# KiCad board Joystick 2-axis with pushbutton breakout_panel.kicad_pcb (continued)
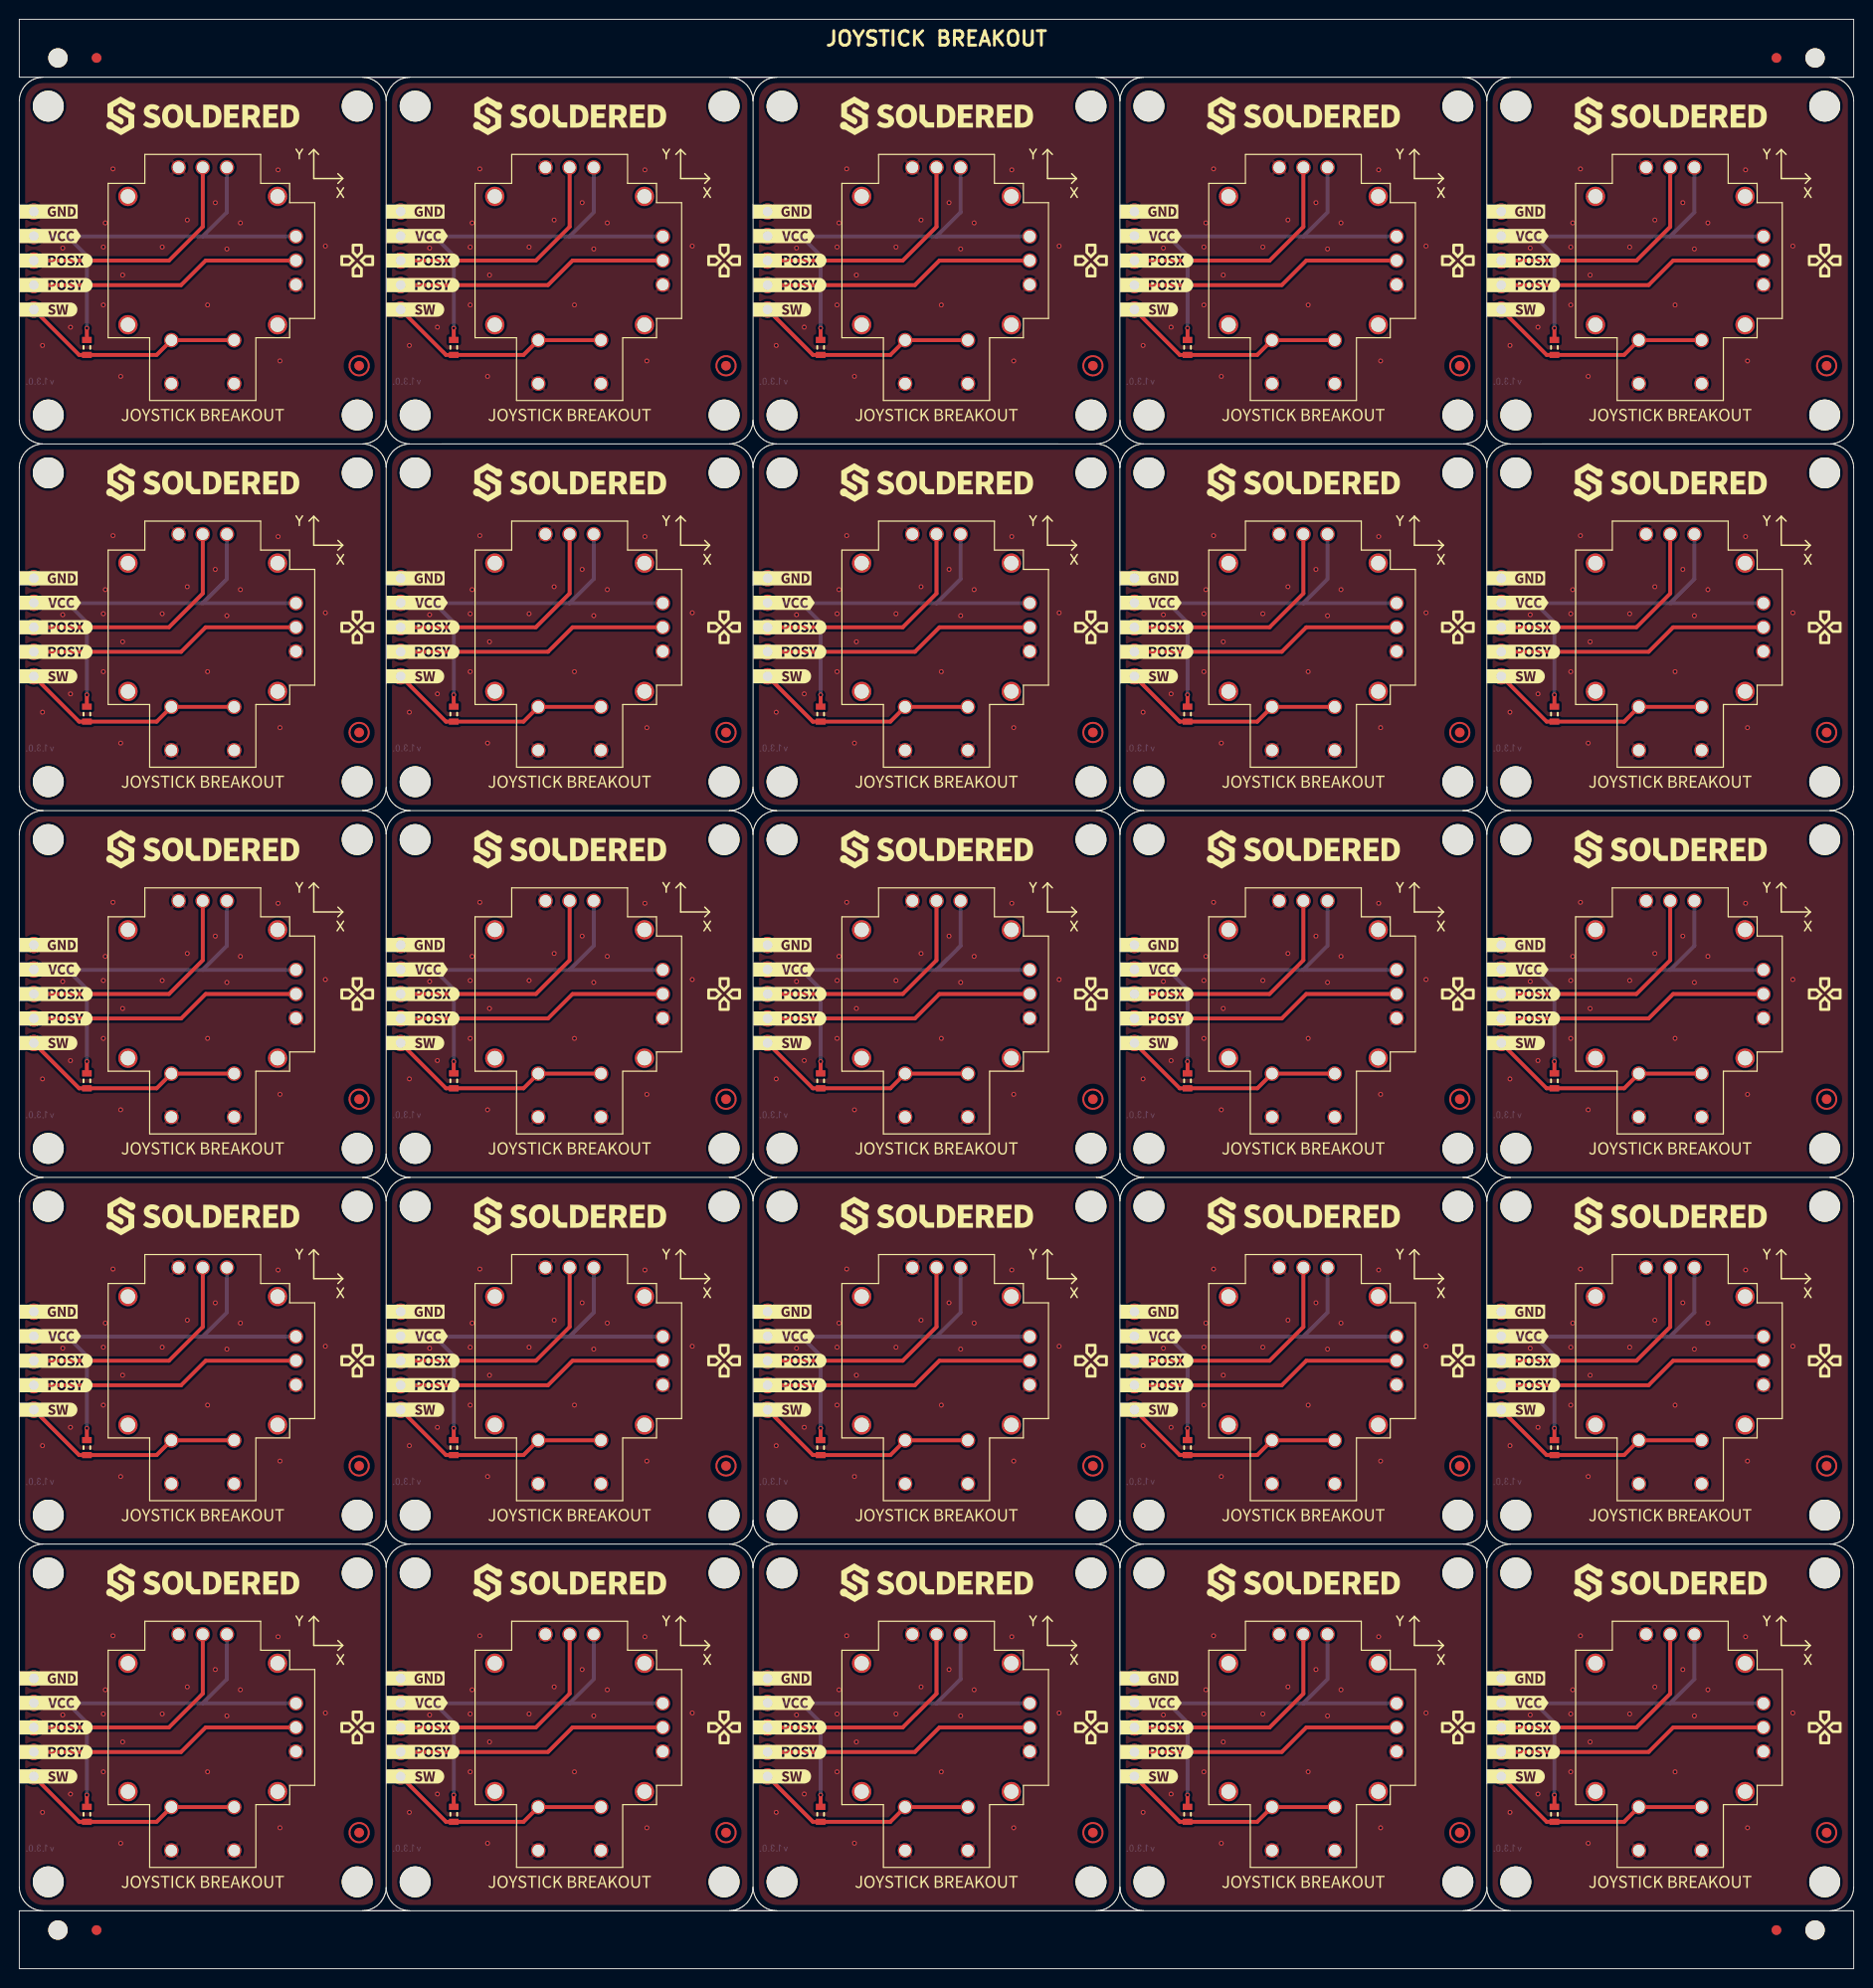
[diagram p0: board, top side]
## Placement (name value [footprint] x y rotation side) (continued)
kibuzzard-66828977#20  G***  [kibuzzard-66828977]  117.8 63 0 top
kibuzzard-66828977#21  G***  [kibuzzard-66828977]  117.8 139 0 top
kibuzzard-66828977#22  G***  [kibuzzard-66828977]  79.8 139 0 top
kibuzzard-66828977#23  G***  [kibuzzard-66828977]  3.8 63 0 top
kibuzzard-66828977#24  G***  [kibuzzard-66828977]  79.8 101 0 top
kibuzzard-66828977#25  G***  [kibuzzard-66828977]  41.8 139 0 top
kibuzzard-66828995  G***  [kibuzzard-66828995]  79.8 98.46 0 top
kibuzzard-66828995#2  G***  [kibuzzard-66828995]  155.8 60.46 0 top
kibuzzard-66828995#3  G***  [kibuzzard-66828995]  79.8 60.46 0 top
kibuzzard-66828995#4  G***  [kibuzzard-66828995]  155.8 22.46 0 top
kibuzzard-66828995#5  G***  [kibuzzard-66828995]  41.8 98.46 0 top
kibuzzard-66828995#6  G***  [kibuzzard-66828995]  155.8 136.46 0 top
kibuzzard-66828995#7  G***  [kibuzzard-66828995]  3.8 60.46 0 top
kibuzzard-66828995#8  G***  [kibuzzard-66828995]  79.8 22.46 0 top
kibuzzard-66828995#9  G***  [kibuzzard-66828995]  79.8 136.46 0 top
kibuzzard-66828995#10  G***  [kibuzzard-66828995]  155.8 174.46 0 top
kibuzzard-66828995#11  G***  [kibuzzard-66828995]  79.8 174.46 0 top
kibuzzard-66828995#12  G***  [kibuzzard-66828995]  117.8 136.46 0 top
kibuzzard-66828995#13  G***  [kibuzzard-66828995]  155.8 98.46 0 top
kibuzzard-66828995#14  G***  [kibuzzard-66828995]  41.8 174.46 0 top
kibuzzard-66828995#15  G***  [kibuzzard-66828995]  3.8 22.46 0 top
kibuzzard-66828995#16  G***  [kibuzzard-66828995]  117.8 60.46 0 top
kibuzzard-66828995#17  G***  [kibuzzard-66828995]  117.8 174.46 0 top
kibuzzard-66828995#18  G***  [kibuzzard-66828995]  41.8 60.46 0 top
kibuzzard-66828995#19  G***  [kibuzzard-66828995]  3.8 98.46 0 top
kibuzzard-66828995#20  G***  [kibuzzard-66828995]  41.8 22.46 0 top
kibuzzard-66828995#21  G***  [kibuzzard-66828995]  3.8 174.46 0 top
kibuzzard-66828995#22  G***  [kibuzzard-66828995]  117.8 98.46 0 top
kibuzzard-66828995#23  G***  [kibuzzard-66828995]  3.8 136.46 0 top
kibuzzard-66828995#24  G***  [kibuzzard-66828995]  117.8 22.46 0 top
kibuzzard-66828995#25  G***  [kibuzzard-66828995]  41.8 136.46 0 top
R1  10k  [0603R]  121 16 90 top
R1#2  10k  [0603R]  83 92 90 top
R1#3  10k  [0603R]  7 92 90 top
R1#4  10k  [0603R]  7 168 90 top
R1#5  10k  [0603R]  159 168 90 top
R1#6  10k  [0603R]  45 168 90 top
R1#7  10k  [0603R]  159 92 90 top
R1#8  10k  [0603R]  83 168 90 top
R1#9  10k  [0603R]  45 92 90 top
R1#10  10k  [0603R]  7 54 90 top
R1#11  10k  [0603R]  7 130 90 top
R1#12  10k  [0603R]  121 92 90 top
R1#13  10k  [0603R]  121 130 90 top
R1#14  10k  [0603R]  159 130 90 top
R1#15  10k  [0603R]  159 54 90 top
R1#16  10k  [0603R]  83 54 90 top
R1#17  10k  [0603R]  7 16 90 top
R1#18  10k  [0603R]  121 168 90 top
R1#19  10k  [0603R]  121 54 90 top
R1#20  10k  [0603R]  83 16 90 top
R1#21  10k  [0603R]  45 54 90 top
R1#22  10k  [0603R]  83 130 90 top
R1#23  10k  [0603R]  45 130 90 top
R1#24  10k  [0603R]  45 16 90 top
R1#25  10k  [0603R]  159 16 90 top
REF**  Logo-Front-SolderedFULL-20mm  [Logo-Back-SolderedFULL-20mm]  133 154 0 top
REF**#2  -  [Logo-Front-SolderedFULL-20mm]  57 40 0 top
REF**#3  Logo-Front-SolderedFULL-20mm  [Logo-Back-SolderedFULL-20mm]  95 40 0 top
REF**#4  -  [Logo-Back-CE-3.5mm]  50.9 46.4 0 top
REF**#5  Logo-Front-SolderedFULL-20mm  [Logo-Back-SolderedFULL-20mm]  19 116 0 top
REF**#6  -  [Logo-Back-CE-3.5mm]  12.9 46.4 0 top
REF**#7  -  [Logo-Front-SolderedFULL-20mm]  19 78 0 top
REF**#8  -  [Fiducial]  182 198 0 top
REF**#9  -  [Logo-Back-CE-3.5mm]  88.9 122.4 0 top
REF**#10  -  [NPTH]  4 198 0 top
REF**#11  -  [Logo-Back-UKCA-3.5mm]  84.4 46.5 0 top
REF**#12  -  [Logo-Back-CE-3.5mm]  126.9 160.4 0 top
REF**#13  -  [Logo-Back-CE-3.5mm]  12.9 8.4 0 top
REF**#14  -  [Logo-Back-UKCA-3.5mm]  84.4 8.5 0 top
REF**#15  Logo-Front-SolderedFULL-20mm  [Logo-Back-SolderedFULL-20mm]  171 78 0 top
REF**#16  -  [Logo-Back-UKCA-3.5mm]  8.4 122.5 0 top
REF**#17  -  [Logo-Back-CE-3.5mm]  50.9 8.4 0 top
REF**#18  Logo-Front-SolderedFULL-20mm  [Logo-Back-SolderedFULL-20mm]  19 154 0 top
REF**#19  -  [Logo-Front-SolderedFULL-20mm]  19 154 0 top
REF**#20  -  [Logo-Front-SolderedFULL-20mm]  95 78 0 top
REF**#21  -  [Logo-Front-SolderedFULL-20mm]  171 116 0 top
REF**#22  -  [Logo-Back-CE-3.5mm]  12.9 84.4 0 top
REF**#23  -  [Logo-Back-UKCA-3.5mm]  46.4 46.5 0 top
REF**#24  -  [Logo-Back-CE-3.5mm]  50.9 160.4 0 top
REF**#25  -  [Logo-Back-UKCA-3.5mm]  8.4 84.5 0 top
REF**#26  -  [NPTH]  4 4 0 top
REF**#27  -  [Logo-Back-CE-3.5mm]  126.9 84.4 0 top
REF**#28  -  [Logo-Back-CE-3.5mm]  164.9 8.4 0 top
REF**#29  -  [NPTH]  186 4 0 top
REF**#30  Logo-Front-SolderedFULL-20mm  [Logo-Back-SolderedFULL-20mm]  19 192 0 top
REF**#31  -  [Logo-Back-CE-3.5mm]  88.9 160.4 0 top
REF**#32  -  [Logo-Back-UKCA-3.5mm]  122.4 46.5 0 top
REF**#33  -  [Logo-Back-UKCA-3.5mm]  8.4 46.5 0 top
REF**#34  -  [Logo-Back-CE-3.5mm]  12.9 160.4 0 top
REF**#35  -  [Fiducial]  8 198 0 top
REF**#36  -  [Logo-Front-SolderedFULL-20mm]  133 40 0 top
REF**#37  -  [Logo-Front-SolderedFULL-20mm]  57 154 0 top
REF**#38  -  [Logo-Back-CE-3.5mm]  88.9 8.4 0 top
REF**#39  -  [Logo-Front-SolderedFULL-20mm]  95 192 0 top
REF**#40  Logo-Front-SolderedFULL-20mm  [Logo-Back-SolderedFULL-20mm]  57 78 0 top
REF**#41  Logo-Front-SolderedFULL-20mm  [Logo-Back-SolderedFULL-20mm]  133 40 0 top
REF**#42  -  [Fiducial]  182 4 0 top
REF**#43  -  [Logo-Front-SolderedFULL-20mm]  57 192 0 top
REF**#44  -  [Logo-Back-UKCA-3.5mm]  160.4 122.5 0 top
REF**#45  -  [Logo-Back-UKCA-3.5mm]  160.4 46.5 0 top
REF**#46  -  [Logo-Front-SolderedFULL-20mm]  171 192 0 top
REF**#47  Logo-Front-SolderedFULL-20mm  [Logo-Back-SolderedFULL-20mm]  57 192 0 top
REF**#48  -  [Logo-Front-SolderedFULL-20mm]  19 40 0 top
REF**#49  -  [Logo-Back-UKCA-3.5mm]  8.4 160.5 0 top
REF**#50  -  [Logo-Back-UKCA-3.5mm]  122.4 122.5 0 top
REF**#51  Logo-Front-SolderedFULL-20mm  [Logo-Back-SolderedFULL-20mm]  95 192 0 top
REF**#52  Logo-Front-SolderedFULL-20mm  [Logo-Back-SolderedFULL-20mm]  133 116 0 top
REF**#53  -  [Logo-Back-UKCA-3.5mm]  84.4 84.5 0 top
REF**#54  Logo-Front-SolderedFULL-20mm  [Logo-Back-SolderedFULL-20mm]  95 116 0 top
REF**#55  Logo-Front-SolderedFULL-20mm  [Logo-Back-SolderedFULL-20mm]  133 78 0 top
REF**#56  -  [Logo-Back-UKCA-3.5mm]  160.4 160.5 0 top
REF**#57  -  [Logo-Back-CE-3.5mm]  126.9 8.4 0 top
REF**#58  Logo-Front-SolderedFULL-20mm  [Logo-Back-SolderedFULL-20mm]  57 40 0 top
REF**#59  -  [Logo-Back-UKCA-3.5mm]  46.4 84.5 0 top
REF**#60  -  [Logo-Back-UKCA-3.5mm]  46.4 8.5 0 top
REF**#61  Logo-Front-SolderedFULL-20mm  [Logo-Back-SolderedFULL-20mm]  171 40 0 top
REF**#62  Logo-Front-SolderedFULL-20mm  [Logo-Back-SolderedFULL-20mm]  57 154 0 top
REF**#63  Logo-Front-SolderedFULL-20mm  [Logo-Back-SolderedFULL-20mm]  95 78 0 top
REF**#64  -  [Logo-Back-CE-3.5mm]  50.9 84.4 0 top
REF**#65  -  [Logo-Front-SolderedFULL-20mm]  19 192 0 top
REF**#66  -  [Logo-Back-UKCA-3.5mm]  84.4 122.5 0 top
REF**#67  -  [Logo-Front-SolderedFULL-20mm]  57 78 0 top
REF**#68  -  [Logo-Front-SolderedFULL-20mm]  171 78 0 top
REF**#69  -  [Logo-Front-SolderedFULL-20mm]  133 192 0 top
REF**#70  -  [Logo-Front-SolderedFULL-20mm]  133 154 0 top
REF**#71  -  [Logo-Back-CE-3.5mm]  164.9 160.4 0 top
REF**#72  -  [Logo-Front-SolderedFULL-20mm]  57 116 0 top
REF**#73  -  [Logo-Back-CE-3.5mm]  50.9 122.4 0 top
REF**#74  Logo-Front-SolderedFULL-20mm  [Logo-Back-SolderedFULL-20mm]  171 116 0 top
REF**#75  -  [Logo-Back-UKCA-3.5mm]  122.4 84.5 0 top
REF**#76  -  [Logo-Back-CE-3.5mm]  164.9 122.4 0 top
REF**#77  -  [NPTH]  186 198 0 top
REF**#78  -  [Logo-Back-CE-3.5mm]  126.9 46.4 0 top
REF**#79  Logo-Front-SolderedFULL-20mm  [Logo-Back-SolderedFULL-20mm]  19 40 0 top
REF**#80  Logo-Front-SolderedFULL-20mm  [Logo-Back-SolderedFULL-20mm]  171 154 0 top
REF**#81  -  [Logo-Front-SolderedFULL-20mm]  95 116 0 top
REF**#82  -  [Logo-Back-UKCA-3.5mm]  84.4 160.5 0 top
REF**#83  -  [Logo-Front-SolderedFULL-20mm]  95 154 0 top
REF**#84  Logo-Front-SolderedFULL-20mm  [Logo-Back-SolderedFULL-20mm]  57 116 0 top
REF**#85  -  [Logo-Back-CE-3.5mm]  126.9 122.4 0 top
REF**#86  -  [Logo-Front-SolderedFULL-20mm]  171 40 0 top
REF**#87  Logo-Front-SolderedFULL-20mm  [Logo-Back-SolderedFULL-20mm]  95 154 0 top
REF**#88  -  [Logo-Front-SolderedFULL-20mm]  133 116 0 top
REF**#89  -  [Logo-Back-UKCA-3.5mm]  8.4 8.5 0 top
REF**#90  -  [Logo-Front-SolderedFULL-20mm]  133 78 0 top
REF**#91  Logo-Front-SolderedFULL-20mm  [Logo-Back-SolderedFULL-20mm]  19 78 0 top
REF**#92  -  [Logo-Back-UKCA-3.5mm]  46.4 160.5 0 top
REF**#93  -  [Logo-Back-UKCA-3.5mm]  46.4 122.5 0 top
REF**#94  -  [Logo-Back-CE-3.5mm]  164.9 84.4 0 top
REF**#95  -  [Logo-Front-SolderedFULL-20mm]  19 116 0 top
REF**#96  -  [Logo-Back-UKCA-3.5mm]  160.4 8.5 0 top
REF**#97  -  [Logo-Back-UKCA-3.5mm]  122.4 8.5 0 top
REF**#98  Logo-Front-SolderedFULL-20mm  [Logo-Back-SolderedFULL-20mm]  133 192 0 top
REF**#99  -  [Logo-Back-CE-3.5mm]  164.9 46.4 0 top
REF**#100  Logo-Front-SolderedFULL-20mm  [Logo-Back-SolderedFULL-20mm]  171 192 0 top
REF**#101  -  [Logo-Back-UKCA-3.5mm]  122.4 160.5 0 top
REF**#102  -  [Logo-Back-UKCA-3.5mm]  160.4 84.5 0 top
REF**#103  -  [Logo-Back-CE-3.5mm]  88.9 46.4 0 top
REF**#104  -  [Logo-Front-SolderedFULL-20mm]  171 154 0 top
REF**#105  -  [Logo-Back-CE-3.5mm]  88.9 84.4 0 top
REF**#106  -  [Fiducial]  8 4 0 top
REF**#107  -  [Logo-Front-SolderedFULL-20mm]  95 40 0 top
REF**#108  -  [Logo-Back-CE-3.5mm]  12.9 122.4 0 top
REF**#109  -  [Version1.3.0.]  40.1 12.5 180 bottom
REF**#110  -  [Fiducial]  8 198 0 bottom
REF**#111  -  [Version1.3.0.]  40.1 50.5 180 bottom
REF**#112  -  [Version1.3.0.]  116.1 12.5 180 bottom
REF**#113  -  [Version1.3.0.]  154.1 12.5 180 bottom
REF**#114  -  [Fiducial]  182 198 0 bottom
REF**#115  -  [Version1.3.0.]  154.1 50.5 180 bottom
REF**#116  -  [Version1.3.0.]  78.1 50.5 180 bottom
REF**#117  -  [Version1.3.0.]  78.1 126.5 180 bottom
REF**#118  -  [Version1.3.0.]  154.1 164.5 180 bottom
REF**#119  -  [Version1.3.0.]  154.1 88.5 180 bottom
REF**#120  -  [Version1.3.0.]  116.1 50.5 180 bottom
REF**#121  -  [Version1.3.0.]  2.1 50.5 180 bottom
REF**#122  -  [Version1.3.0.]  116.1 126.5 180 bottom
REF**#123  -  [Version1.3.0.]  78.1 164.5 180 bottom
REF**#124  -  [Version1.3.0.]  40.1 126.5 180 bottom
REF**#125  -  [Fiducial]  8 4 0 bottom
REF**#126  -  [Version1.3.0.]  2.1 126.5 180 bottom
REF**#127  -  [Version1.3.0.]  154.1 126.5 180 bottom
REF**#128  -  [Version1.3.0.]  40.1 164.5 180 bottom
REF**#129  -  [Version1.3.0.]  2.1 164.5 180 bottom
REF**#130  -  [Version1.3.0.]  116.1 164.5 180 bottom
REF**#131  -  [Version1.3.0.]  2.1 88.5 180 bottom
REF**#132  -  [Fiducial]  182 4 0 bottom
REF**#133  -  [Version1.3.0.]  116.1 88.5 180 bottom
REF**#134  -  [Version1.3.0.]  40.1 88.5 180 bottom
REF**#135  -  [Version1.3.0.]  78.1 88.5 180 bottom
REF**#136  -  [Version1.3.0.]  78.1 12.5 180 bottom
REF**#137  -  [Version1.3.0.]  2.1 12.5 180 bottom

## Footprints (pads in the part's own frame, mm; a bottom-side part is the same pattern mirrored in y, then rotated)
0603R
  rect 0.64x1 smd: 1(-0.775,0) 2(0.775,0)
Fiducial
  round 1 smd: (0,0)
FIDUCIAL_23
  round 1 smd: 1(0,0)
HEADER_MALE_5X1
  round 1.7 hole 1: 1(-5.08,0) 2(-2.54,0) 3(0,0) 4(2.54,0) 5(5.08,0)
HOLE_3.2mm
  round 3.2 hole 3.2 unplated: (0,0)
Joystick GGL002
  round 2 hole 1.5: (-6.65,7.75) (-6.65,-7.75) (6.65,7.75) (6.65,-7.75)
  round 1.5 hole 1.2: 1(-12.75,3.25) 1(-12.75,-3.25) 2(-8.25,3.25) 2(-8.25,-3.25) 3(-2.5,-9.65) 4(0,-9.65) 5(2.5,-9.65) 6(9.65,-2.5) 7(9.65,0) 8(9.65,2.5)
NPTH
  round 2 hole 2 unplated: (0,0)

## Nets
Board_0-GND: K1#18.1 K1#18.3 K1#18.8 K2#2.5
Board_0-POSx: K1#18.7 K2#2.3
Board_0-POSy: K1#18.4 K2#2.2
Board_0-SW: K1#18.2 K2#2.1 R1#4.1
Board_0-VCC: K1#18.5 K1#18.6 K2#2.4 R1#4.2
Board_1-GND: K1#13.1 K1#13.3 K1#13.8 K2#7.5
Board_1-POSx: K1#13.7 K2#7.3
Board_1-POSy: K1#13.4 K2#7.2
Board_1-SW: K1#13.2 K2#7.1 R1#6.1
Board_1-VCC: K1#13.5 K1#13.6 K2#7.4 R1#6.2
Board_2-GND: K1#8.1 K1#8.3 K1#8.8 K2#13.5
Board_2-POSx: K1#8.7 K2#13.3
Board_2-POSy: K1#8.4 K2#13.2
Board_2-SW: K1#8.2 K2#13.1 R1#8.1
Board_2-VCC: K1#8.5 K1#8.6 K2#13.4 R1#8.2
Board_3-GND: K1#16.1 K1#16.3 K1#16.8 K2#11.5
Board_3-POSx: K1#16.7 K2#11.3
Board_3-POSy: K1#16.4 K2#11.2
Board_3-SW: K1#16.2 K2#11.1 R1#18.1
Board_3-VCC: K1#16.5 K1#16.6 K2#11.4 R1#18.2
Board_4-GND: K1#11.1 K1#11.3 K1#11.8 K2#15.5
Board_4-POSx: K1#11.7 K2#15.3
Board_4-POSy: K1#11.4 K2#15.2
Board_4-SW: K1#11.2 K2#15.1 R1#5.1
Board_4-VCC: K1#11.5 K1#11.6 K2#15.4 R1#5.2
Board_5-GND: K1#12.1 K1#12.3 K1#12.8 K2#16.5
Board_5-POSx: K1#12.7 K2#16.3
Board_5-POSy: K1#12.4 K2#16.2
Board_5-SW: K1#12.2 K2#16.1 R1#11.1
Board_5-VCC: K1#12.5 K1#12.6 K2#16.4 R1#11.2
Board_6-GND: K1#9.1 K1#9.3 K1#9.8 K2#24.5
Board_6-POSx: K1#9.7 K2#24.3
Board_6-POSy: K1#9.4 K2#24.2
Board_6-SW: K1#9.2 K2#24.1 R1#23.1
Board_6-VCC: K1#9.5 K1#9.6 K2#24.4 R1#23.2
Board_7-GND: K1#19.1 K1#19.3 K1#19.8 K2.5
Board_7-POSx: K1#19.7 K2.3
Board_7-POSy: K1#19.4 K2.2
Board_7-SW: K1#19.2 K2.1 R1#22.1
Board_7-VCC: K1#19.5 K1#19.6 K2.4 R1#22.2
Board_8-GND: K1#21.1 K1#21.3 K1#21.8 K2#10.5
Board_8-POSx: K1#21.7 K2#10.3
Board_8-POSy: K1#21.4 K2#10.2
Board_8-SW: K1#21.2 K2#10.1 R1#13.1
Board_8-VCC: K1#21.5 K1#21.6 K2#10.4 R1#13.2
Board_9-GND: K1#5.1 K1#5.3 K1#5.8 K2#3.5
Board_9-POSx: K1#5.7 K2#3.3
Board_9-POSy: K1#5.4 K2#3.2
Board_9-SW: K1#5.2 K2#3.1 R1#14.1
Board_9-VCC: K1#5.5 K1#5.6 K2#3.4 R1#14.2
Board_10-GND: K1.1 K1.3 K1.8 K2#8.5
Board_10-POSx: K1.7 K2#8.3
Board_10-POSy: K1.4 K2#8.2
Board_10-SW: K1.2 K2#8.1 R1#3.1
Board_10-VCC: K1.5 K1.6 K2#8.4 R1#3.2
Board_11-GND: K1#2.1 K1#2.3 K1#2.8 K2#9.5
Board_11-POSx: K1#2.7 K2#9.3
Board_11-POSy: K1#2.4 K2#9.2
Board_11-SW: K1#2.2 K2#9.1 R1#9.1
Board_11-VCC: K1#2.5 K1#2.6 K2#9.4 R1#9.2
Board_12-GND: K1#25.1 K1#25.3 K1#25.8 K2#20.5
Board_12-POSx: K1#25.7 K2#20.3
Board_12-POSy: K1#25.4 K2#20.2
Board_12-SW: K1#25.2 K2#20.1 R1#2.1
Board_12-VCC: K1#25.5 K1#25.6 K2#20.4 R1#2.2
Board_13-GND: K1#6.1 K1#6.3 K1#6.8 K2#5.5
Board_13-POSx: K1#6.7 K2#5.3
Board_13-POSy: K1#6.4 K2#5.2
Board_13-SW: K1#6.2 K2#5.1 R1#12.1
Board_13-VCC: K1#6.5 K1#6.6 K2#5.4 R1#12.2
Board_14-GND: K1#3.1 K1#3.3 K1#3.8 K2#14.5
Board_14-POSx: K1#3.7 K2#14.3
Board_14-POSy: K1#3.4 K2#14.2
Board_14-SW: K1#3.2 K2#14.1 R1#7.1
Board_14-VCC: K1#3.5 K1#3.6 K2#14.4 R1#7.2
Board_15-GND: K1#23.1 K1#23.3 K1#23.8 K2#18.5
Board_15-POSx: K1#23.7 K2#18.3
Board_15-POSy: K1#23.4 K2#18.2
Board_15-SW: K1#23.2 K2#18.1 R1#10.1
Board_15-VCC: K1#23.5 K1#23.6 K2#18.4 R1#10.2
Board_16-GND: K1#20.1 K1#20.3 K1#20.8 K2#17.5
Board_16-POSx: K1#20.7 K2#17.3
Board_16-POSy: K1#20.4 K2#17.2
Board_16-SW: K1#20.2 K2#17.1 R1#21.1
Board_16-VCC: K1#20.5 K1#20.6 K2#17.4 R1#21.2
Board_17-GND: K1#15.1 K1#15.3 K1#15.8 K2#12.5
Board_17-POSx: K1#15.7 K2#12.3
Board_17-POSy: K1#15.4 K2#12.2
Board_17-SW: K1#15.2 K2#12.1 R1#16.1
Board_17-VCC: K1#15.5 K1#15.6 K2#12.4 R1#16.2
Board_18-GND: K1#10.1 K1#10.3 K1#10.8 K2#23.5
Board_18-POSx: K1#10.7 K2#23.3
Board_18-POSy: K1#10.4 K2#23.2
Board_18-SW: K1#10.2 K2#23.1 R1#19.1
Board_18-VCC: K1#10.5 K1#10.6 K2#23.4 R1#19.2
Board_19-GND: K1#4.1 K1#4.3 K1#4.8 K2#19.5
Board_19-POSx: K1#4.7 K2#19.3
Board_19-POSy: K1#4.4 K2#19.2
Board_19-SW: K1#4.2 K2#19.1 R1#15.1
Board_19-VCC: K1#4.5 K1#4.6 K2#19.4 R1#15.2
Board_20-GND: K1#24.1 K1#24.3 K1#24.8 K2#21.5
Board_20-POSx: K1#24.7 K2#21.3
Board_20-POSy: K1#24.4 K2#21.2
Board_20-SW: K1#24.2 K2#21.1 R1#17.1
Board_20-VCC: K1#24.5 K1#24.6 K2#21.4 R1#17.2
Board_21-GND: K1#17.1 K1#17.3 K1#17.8 K2#6.5
Board_21-POSx: K1#17.7 K2#6.3
Board_21-POSy: K1#17.4 K2#6.2
Board_21-SW: K1#17.2 K2#6.1 R1#24.1
Board_21-VCC: K1#17.5 K1#17.6 K2#6.4 R1#24.2
Board_22-GND: K1#22.1 K1#22.3 K1#22.8 K2#22.5
Board_22-POSx: K1#22.7 K2#22.3
Board_22-POSy: K1#22.4 K2#22.2
Board_22-SW: K1#22.2 K2#22.1 R1#20.1
Board_22-VCC: K1#22.5 K1#22.6 K2#22.4 R1#20.2
Board_23-GND: K1#14.1 K1#14.3 K1#14.8 K2#4.5
Board_23-POSx: K1#14.7 K2#4.3
Board_23-POSy: K1#14.4 K2#4.2
Board_23-SW: K1#14.2 K2#4.1 R1.1
Board_23-VCC: K1#14.5 K1#14.6 K2#4.4 R1.2
Board_24-GND: K1#7.1 K1#7.3 K1#7.8 K2#25.5
Board_24-POSx: K1#7.7 K2#25.3
Board_24-POSy: K1#7.4 K2#25.2
Board_24-SW: K1#7.2 K2#25.1 R1#25.1
Board_24-VCC: K1#7.5 K1#7.6 K2#25.4 R1#25.2

Pads without a net: FD1 1; FD1#2 1; FD1#3 1; FD1#4 1; FD1#5 1; FD1#6 1; FD1#7 1; FD1#8 1; FD1#9 1; FD1#10 1; FD1#11 1; FD1#12 1; FD1#13 1; FD1#14 1; FD1#15 1; FD1#16 1; FD1#17 1; FD1#18 1; FD1#19 1; FD1#20 1; FD1#21 1; FD1#22 1; FD1#23 1; FD1#24 1; FD1#25 1

## Via types
v1: diameter 0.5, hole 0.3, Top to Bottom, 475 vias

## Routing (per net, layer and track width the routed paths; a pad name or vN(x,y) marks a point on that pad's centre or on a via; arc(x,y) is an arc through that point)
Board_0-GND:
  vias: v1(2.4,168.2) v1(4.5,178.3) v1(5.3,170.1) v1(8.7,178.4) v1(8.7,172.4) v1(8.9,180.9) v1(9.7,186.5) v1(10.5,165) v1(10.7,175.5) v1(14.8,178.4) v1(17.4,181.2) v1(19.5,172.4) v1(20.3,183) v1(21.5,178.2) v1(22.9,180.9) v1(26.8,186.4) v1(27,166.6) v1(31.7,178.5)
Board_0-POSx: length 25.1
  Top w0.4: K2#2.3 15.5,177 19,180.5 K1#18.7
Board_0-POSy: length 28.2
  Top w0.4: K2#2.2 16.76,174.46 19.3,177 K1#18.4
Board_0-SW: length 23.3
  Top w0.4: K2#2.1 6.2,167.23 14.23,167.23 K1#18.2 K1#18.2
Board_0-VCC: length 46.9
  Top w0.4: R1#4.2 v1(7,170)
  Bottom w0.4: 5,179.5 7,177.5 v1(7,170) ; 5,179.5 1.54,179.5 K2#2.4 ; 5,179.5 19,179.5 ; 19,179.5 K1#18.5 ; 19,179.5 21.5,182 K1#18.6
Board_1-GND:
  vias: v1(40.4,168.2) v1(42.5,178.3) v1(43.3,170.1) v1(46.7,178.4) v1(46.7,172.4) v1(46.9,180.9) v1(47.7,186.5) v1(48.5,165) v1(48.7,175.5) v1(52.8,178.4) v1(55.4,181.2) v1(57.5,172.4) v1(58.3,183) v1(59.5,178.2) v1(60.9,180.9) v1(64.8,186.4) v1(65,166.6) v1(69.7,178.5)
Board_1-POSx: length 25.1
  Top w0.4: K2#7.3 53.5,177 57,180.5 K1#13.7
Board_1-POSy: length 28.2
  Top w0.4: K1#13.4 57.3,177 54.76,174.46 K2#7.2
Board_1-SW: length 23.3
  Top w0.4: K2#7.1 44.2,167.23 52.23,167.23 K1#13.2 K1#13.2
Board_1-VCC: length 46.9
  Top w0.4: R1#6.2 v1(45,170)
  Bottom w0.4: K2#7.4 39.54,179.5 43,179.5 ; 57,179.5 59.5,182 K1#13.6 ; 57,179.5 K1#13.5 ; 57,179.5 43,179.5 ; v1(45,170) 45,177.5 43,179.5
Board_2-GND:
  vias: v1(78.4,168.2) v1(80.5,178.3) v1(81.3,170.1) v1(84.7,178.4) v1(84.7,172.4) v1(84.9,180.9) v1(85.7,186.5) v1(86.5,165) v1(86.7,175.5) v1(90.8,178.4) v1(93.4,181.2) v1(95.5,172.4) v1(96.3,183) v1(97.5,178.2) v1(98.9,180.9) v1(102.8,186.4) v1(103,166.6) v1(107.7,178.5)
Board_2-POSx: length 25.1
  Top w0.4: K2#13.3 91.5,177 95,180.5 K1#8.7
Board_2-POSy: length 28.2
  Top w0.4: K2#13.2 92.76,174.46 95.3,177 K1#8.4
Board_2-SW: length 23.3
  Top w0.4: K1#8.2 K1#8.2 90.23,167.23 82.2,167.23 K2#13.1
Board_2-VCC: length 46.9
  Top w0.4: R1#8.2 v1(83,170)
  Bottom w0.4: K2#13.4 77.54,179.5 81,179.5 ; 81,179.5 83,177.5 v1(83,170) ; 81,179.5 95,179.5 ; 95,179.5 97.5,182 K1#8.6 ; 95,179.5 K1#8.5
Board_3-GND:
  vias: v1(116.4,168.2) v1(118.5,178.3) v1(119.3,170.1) v1(122.7,178.4) v1(122.7,172.4) v1(122.9,180.9) v1(123.7,186.5) v1(124.5,165) v1(124.7,175.5) v1(128.8,178.4) v1(131.4,181.2) v1(133.5,172.4) v1(134.3,183) v1(135.5,178.2) v1(136.9,180.9) v1(140.8,186.4) v1(141,166.6) v1(145.7,178.5)
Board_3-POSx: length 25.1
  Top w0.4: K1#16.7 133,180.5 129.5,177 K2#11.3
Board_3-POSy: length 28.2
  Top w0.4: K1#16.4 133.3,177 130.76,174.46 K2#11.2
Board_3-SW: length 23.3
  Top w0.4: K2#11.1 120.2,167.23 128.23,167.23 K1#16.2 K1#16.2
Board_3-VCC: length 46.9
  Top w0.4: R1#18.2 v1(121,170)
  Bottom w0.4: 119,179.5 133,179.5 ; 119,179.5 115.54,179.5 K2#11.4 ; 119,179.5 121,177.5 v1(121,170) ; 133,179.5 K1#16.5 ; 133,179.5 135.5,182 K1#16.6
Board_4-GND:
  vias: v1(154.4,168.2) v1(156.5,178.3) v1(157.3,170.1) v1(160.7,178.4) v1(160.7,172.4) v1(160.9,180.9) v1(161.7,186.5) v1(162.5,165) v1(162.7,175.5) v1(166.8,178.4) v1(169.4,181.2) v1(171.5,172.4) v1(172.3,183) v1(173.5,178.2) v1(174.9,180.9) v1(178.8,186.4) v1(179,166.6) v1(183.7,178.5)
Board_4-POSx: length 25.1
  Top w0.4: K2#15.3 167.5,177 171,180.5 K1#11.7
Board_4-POSy: length 28.2
  Top w0.4: K1#11.4 171.3,177 168.76,174.46 K2#15.2
Board_4-SW: length 23.3
  Top w0.4: K1#11.2 K1#11.2 166.23,167.23 158.2,167.23 K2#15.1
Board_4-VCC: length 46.9
  Top w0.4: R1#5.2 v1(159,170)
  Bottom w0.4: K2#15.4 153.54,179.5 157,179.5 ; v1(159,170) 159,177.5 157,179.5 ; K1#11.6 173.5,182 171,179.5 ; 157,179.5 171,179.5 ; 171,179.5 K1#11.5
Board_5-GND:
  vias: v1(2.4,130.2) v1(4.5,140.3) v1(5.3,132.1) v1(8.7,140.4) v1(8.7,134.4) v1(8.9,142.9) v1(9.7,148.5) v1(10.5,127) v1(10.7,137.5) v1(14.8,140.4) v1(17.4,143.2) v1(19.5,134.4) v1(20.3,145) v1(21.5,140.2) v1(22.9,142.9) v1(26.8,148.4) v1(27,128.6) v1(31.7,140.5)
Board_5-POSx: length 25.1
  Top w0.4: K2#16.3 15.5,139 19,142.5 K1#12.7
Board_5-POSy: length 28.2
  Top w0.4: K1#12.4 19.3,139 16.76,136.46 K2#16.2
Board_5-SW: length 23.3
  Top w0.4: K1#12.2 K1#12.2 14.23,129.23 6.2,129.23 K2#16.1
Board_5-VCC: length 46.9
  Top w0.4: R1#11.2 v1(7,132)
  Bottom w0.4: 5,141.5 7,139.5 v1(7,132) ; 5,141.5 1.54,141.5 K2#16.4 ; 5,141.5 19,141.5 ; 19,141.5 21.5,144 K1#12.6 ; 19,141.5 K1#12.5
Board_6-GND:
  vias: v1(40.4,130.2) v1(42.5,140.3) v1(43.3,132.1) v1(46.7,140.4) v1(46.7,134.4) v1(46.9,142.9) v1(47.7,148.5) v1(48.5,127) v1(48.7,137.5) v1(52.8,140.4) v1(55.4,143.2) v1(57.5,134.4) v1(58.3,145) v1(59.5,140.2) v1(60.9,142.9) v1(64.8,148.4) v1(65,128.6) v1(69.7,140.5)
Board_6-POSx: length 25.1
  Top w0.4: K1#9.7 57,142.5 53.5,139 K2#24.3
Board_6-POSy: length 28.2
  Top w0.4: K2#24.2 54.76,136.46 57.3,139 K1#9.4
Board_6-SW: length 23.3
  Top w0.4: K2#24.1 44.2,129.23 52.23,129.23 K1#9.2 K1#9.2
Board_6-VCC: length 46.9
  Top w0.4: R1#23.2 v1(45,132)
  Bottom w0.4: v1(45,132) 45,139.5 43,141.5 ; 43,141.5 57,141.5 ; 43,141.5 39.54,141.5 K2#24.4 ; 57,141.5 K1#9.5 ; 57,141.5 59.5,144 K1#9.6
Board_7-GND:
  vias: v1(78.4,130.2) v1(80.5,140.3) v1(81.3,132.1) v1(84.7,140.4) v1(84.7,134.4) v1(84.9,142.9) v1(85.7,148.5) v1(86.5,127) v1(86.7,137.5) v1(90.8,140.4) v1(93.4,143.2) v1(95.5,134.4) v1(96.3,145) v1(97.5,140.2) v1(98.9,142.9) v1(102.8,148.4) v1(103,128.6) v1(107.7,140.5)
Board_7-POSx: length 25.1
  Top w0.4: K1#19.7 95,142.5 91.5,139 K2.3
Board_7-POSy: length 28.2
  Top w0.4: K2.2 92.76,136.46 95.3,139 K1#19.4
Board_7-SW: length 23.3
  Top w0.4: K1#19.2 K1#19.2 90.23,129.23 82.2,129.23 K2.1
Board_7-VCC: length 46.9
  Top w0.4: R1#22.2 v1(83,132)
  Bottom w0.4: 95,141.5 97.5,144 K1#19.6 ; 95,141.5 K1#19.5 ; 95,141.5 81,141.5 ; K2.4 77.54,141.5 81,141.5 ; 81,141.5 83,139.5 v1(83,132)
Board_8-GND:
  vias: v1(116.4,130.2) v1(118.5,140.3) v1(119.3,132.1) v1(122.7,140.4) v1(122.7,134.4) v1(122.9,142.9) v1(123.7,148.5) v1(124.5,127) v1(124.7,137.5) v1(128.8,140.4) v1(131.4,143.2) v1(133.5,134.4) v1(134.3,145) v1(135.5,140.2) v1(136.9,142.9) v1(140.8,148.4) v1(141,128.6) v1(145.7,140.5)
Board_8-POSx: length 25.1
  Top w0.4: K2#10.3 129.5,139 133,142.5 K1#21.7
Board_8-POSy: length 28.2
  Top w0.4: K2#10.2 130.76,136.46 133.3,139 K1#21.4
Board_8-SW: length 23.3
  Top w0.4: K1#21.2 K1#21.2 128.23,129.23 120.2,129.23 K2#10.1
Board_8-VCC: length 46.9
  Top w0.4: R1#13.2 v1(121,132)
  Bottom w0.4: 133,141.5 K1#21.5 ; 133,141.5 119,141.5 ; 133,141.5 135.5,144 K1#21.6 ; 119,141.5 115.54,141.5 K2#10.4 ; 119,141.5 121,139.5 v1(121,132)
Board_9-GND:
  vias: v1(154.4,130.2) v1(156.5,140.3) v1(157.3,132.1) v1(160.7,140.4) v1(160.7,134.4) v1(160.9,142.9) v1(161.7,148.5) v1(162.5,127) v1(162.7,137.5) v1(166.8,140.4) v1(169.4,143.2) v1(171.5,134.4) v1(172.3,145) v1(173.5,140.2) v1(174.9,142.9) v1(178.8,148.4) v1(179,128.6) v1(183.7,140.5)
Board_9-POSx: length 25.1
  Top w0.4: K1#5.7 171,142.5 167.5,139 K2#3.3
Board_9-POSy: length 28.2
  Top w0.4: K1#5.4 171.3,139 168.76,136.46 K2#3.2
Board_9-SW: length 23.3
  Top w0.4: K1#5.2 K1#5.2 166.23,129.23 158.2,129.23 K2#3.1
Board_9-VCC: length 46.9
  Top w0.4: R1#14.2 v1(159,132)
  Bottom w0.4: 171,141.5 173.5,144 K1#5.6 ; 171,141.5 K1#5.5 ; 171,141.5 157,141.5 ; K2#3.4 153.54,141.5 157,141.5 ; 157,141.5 159,139.5 v1(159,132)
Board_10-GND:
  vias: v1(2.4,92.2) v1(4.5,102.3) v1(5.3,94.1) v1(8.7,102.4) v1(8.7,96.4) v1(8.9,104.9) v1(9.7,110.5) v1(10.5,89) v1(10.7,99.5) v1(14.8,102.4) v1(17.4,105.2) v1(19.5,96.4) v1(20.3,107) v1(21.5,102.2) v1(22.9,104.9) v1(26.8,110.4) v1(27,90.6) v1(31.7,102.5)
Board_10-POSx: length 25.1
  Top w0.4: K1.7 19,104.5 15.5,101 K2#8.3
Board_10-POSy: length 28.2
  Top w0.4: K1.4 19.3,101 16.76,98.46 K2#8.2
Board_10-SW: length 23.3
  Top w0.4: K2#8.1 6.2,91.23 14.23,91.23 K1.2 K1.2
Board_10-VCC: length 46.9
  Top w0.4: R1#3.2 v1(7,94)
  Bottom w0.4: 19,103.5 K1.5 ; 19,103.5 21.5,106 K1.6 ; 19,103.5 5,103.5 ; v1(7,94) 7,101.5 5,103.5 ; 5,103.5 1.54,103.5 K2#8.4
Board_11-GND:
  vias: v1(40.4,92.2) v1(42.5,102.3) v1(43.3,94.1) v1(46.7,102.4) v1(46.7,96.4) v1(46.9,104.9) v1(47.7,110.5) v1(48.5,89) v1(48.7,99.5) v1(52.8,102.4) v1(55.4,105.2) v1(57.5,96.4) v1(58.3,107) v1(59.5,102.2) v1(60.9,104.9) v1(64.8,110.4) v1(65,90.6) v1(69.7,102.5)
Board_11-POSx: length 25.1
  Top w0.4: K2#9.3 53.5,101 57,104.5 K1#2.7
Board_11-POSy: length 28.2
  Top w0.4: K1#2.4 57.3,101 54.76,98.46 K2#9.2
Board_11-SW: length 23.3
  Top w0.4: K2#9.1 44.2,91.23 52.23,91.23 K1#2.2 K1#2.2
Board_11-VCC: length 46.9
  Top w0.4: R1#9.2 v1(45,94)
  Bottom w0.4: 57,103.5 59.5,106 K1#2.6 ; 57,103.5 K1#2.5 ; 57,103.5 43,103.5 ; v1(45,94) 45,101.5 43,103.5 ; 43,103.5 39.54,103.5 K2#9.4
Board_12-GND:
  vias: v1(78.4,92.2) v1(80.5,102.3) v1(81.3,94.1) v1(84.7,102.4) v1(84.7,96.4) v1(84.9,104.9) v1(85.7,110.5) v1(86.5,89) v1(86.7,99.5) v1(90.8,102.4) v1(93.4,105.2) v1(95.5,96.4) v1(96.3,107) v1(97.5,102.2) v1(98.9,104.9) v1(102.8,110.4) v1(103,90.6) v1(107.7,102.5)
Board_12-POSx: length 25.1
  Top w0.4: K2#20.3 91.5,101 95,104.5 K1#25.7
Board_12-POSy: length 28.2
  Top w0.4: K1#25.4 95.3,101 92.76,98.46 K2#20.2
Board_12-SW: length 23.3
  Top w0.4: K1#25.2 K1#25.2 90.23,91.23 82.2,91.23 K2#20.1
Board_12-VCC: length 46.9
  Top w0.4: R1#2.2 v1(83,94)
  Bottom w0.4: 81,103.5 77.54,103.5 K2#20.4 ; 81,103.5 95,103.5 ; 81,103.5 83,101.5 v1(83,94) ; 95,103.5 97.5,106 K1#25.6 ; 95,103.5 K1#25.5
Board_13-GND:
  vias: v1(116.4,92.2) v1(118.5,102.3) v1(119.3,94.1) v1(122.7,102.4) v1(122.7,96.4) v1(122.9,104.9) v1(123.7,110.5) v1(124.5,89) v1(124.7,99.5) v1(128.8,102.4) v1(131.4,105.2) v1(133.5,96.4) v1(134.3,107) v1(135.5,102.2) v1(136.9,104.9) v1(140.8,110.4) v1(141,90.6) v1(145.7,102.5)
Board_13-POSx: length 25.1
  Top w0.4: K2#5.3 129.5,101 133,104.5 K1#6.7
Board_13-POSy: length 28.2
  Top w0.4: K2#5.2 130.76,98.46 133.3,101 K1#6.4
Board_13-SW: length 23.3
  Top w0.4: K1#6.2 K1#6.2 128.23,91.23 120.2,91.23 K2#5.1
Board_13-VCC: length 46.9
  Top w0.4: R1#12.2 v1(121,94)
  Bottom w0.4: K2#5.4 115.54,103.5 119,103.5 ; 133,103.5 K1#6.5 ; 133,103.5 135.5,106 K1#6.6 ; 133,103.5 119,103.5 ; 119,103.5 121,101.5 v1(121,94)
Board_14-GND:
  vias: v1(154.4,92.2) v1(156.5,102.3) v1(157.3,94.1) v1(160.7,102.4) v1(160.7,96.4) v1(160.9,104.9) v1(161.7,110.5) v1(162.5,89) v1(162.7,99.5) v1(166.8,102.4) v1(169.4,105.2) v1(171.5,96.4) v1(172.3,107) v1(173.5,102.2) v1(174.9,104.9) v1(178.8,110.4) v1(179,90.6) v1(183.7,102.5)
Board_14-POSx: length 25.1
  Top w0.4: K1#3.7 171,104.5 167.5,101 K2#14.3
Board_14-POSy: length 28.2
  Top w0.4: K2#14.2 168.76,98.46 171.3,101 K1#3.4
Board_14-SW: length 23.3
  Top w0.4: K2#14.1 158.2,91.23 166.23,91.23 K1#3.2 K1#3.2
Board_14-VCC: length 46.9
  Top w0.4: R1#7.2 v1(159,94)
  Bottom w0.4: K2#14.4 153.54,103.5 157,103.5 ; v1(159,94) 159,101.5 157,103.5 ; 157,103.5 171,103.5 ; K1#3.6 173.5,106 171,103.5 ; 171,103.5 K1#3.5
Board_15-GND:
  vias: v1(2.4,54.2) v1(4.5,64.3) v1(5.3,56.1) v1(8.7,64.4) v1(8.7,58.4) v1(8.9,66.9) v1(9.7,72.5) v1(10.5,51) v1(10.7,61.5) v1(14.8,64.4) v1(17.4,67.2) v1(19.5,58.4) v1(20.3,69) v1(21.5,64.2) v1(22.9,66.9) v1(26.8,72.4) v1(27,52.6) v1(31.7,64.5)
Board_15-POSx: length 25.1
  Top w0.4: K2#18.3 15.5,63 19,66.5 K1#23.7
Board_15-POSy: length 28.2
  Top w0.4: K1#23.4 19.3,63 16.76,60.46 K2#18.2
Board_15-SW: length 23.3
  Top w0.4: K1#23.2 K1#23.2 14.23,53.23 6.2,53.23 K2#18.1
Board_15-VCC: length 46.9
  Top w0.4: R1#10.2 v1(7,56)
  Bottom w0.4: 5,65.5 7,63.5 v1(7,56) ; 5,65.5 1.54,65.5 K2#18.4 ; 5,65.5 19,65.5 ; 19,65.5 K1#23.5 ; 19,65.5 21.5,68 K1#23.6
Board_16-GND:
  vias: v1(40.4,54.2) v1(42.5,64.3) v1(43.3,56.1) v1(46.7,64.4) v1(46.7,58.4) v1(46.9,66.9) v1(47.7,72.5) v1(48.5,51) v1(48.7,61.5) v1(52.8,64.4) v1(55.4,67.2) v1(57.5,58.4) v1(58.3,69) v1(59.5,64.2) v1(60.9,66.9) v1(64.8,72.4) v1(65,52.6) v1(69.7,64.5)
Board_16-POSx: length 25.1
  Top w0.4: K1#20.7 57,66.5 53.5,63 K2#17.3
Board_16-POSy: length 28.2
  Top w0.4: K2#17.2 54.76,60.46 57.3,63 K1#20.4
Board_16-SW: length 23.3
  Top w0.4: K2#17.1 44.2,53.23 52.23,53.23 K1#20.2 K1#20.2
Board_16-VCC: length 46.9
  Top w0.4: R1#21.2 v1(45,56)
  Bottom w0.4: K1#20.6 59.5,68 57,65.5 ; K2#17.4 39.54,65.5 43,65.5 ; v1(45,56) 45,63.5 43,65.5 ; 57,65.5 K1#20.5 ; 57,65.5 43,65.5
Board_17-GND:
  vias: v1(78.4,54.2) v1(80.5,64.3) v1(81.3,56.1) v1(84.7,64.4) v1(84.7,58.4) v1(84.9,66.9) v1(85.7,72.5) v1(86.5,51) v1(86.7,61.5) v1(90.8,64.4) v1(93.4,67.2) v1(95.5,58.4) v1(96.3,69) v1(97.5,64.2) v1(98.9,66.9) v1(102.8,72.4) v1(103,52.6) v1(107.7,64.5)
Board_17-POSx: length 25.1
  Top w0.4: K2#12.3 91.5,63 95,66.5 K1#15.7
Board_17-POSy: length 28.2
  Top w0.4: K1#15.4 95.3,63 92.76,60.46 K2#12.2
Board_17-SW: length 23.3
  Top w0.4: K1#15.2 K1#15.2 90.23,53.23 82.2,53.23 K2#12.1
Board_17-VCC: length 46.9
  Top w0.4: R1#16.2 v1(83,56)
  Bottom w0.4: 95,65.5 97.5,68 K1#15.6 ; 95,65.5 K1#15.5 ; 95,65.5 81,65.5 ; 81,65.5 83,63.5 v1(83,56) ; 81,65.5 77.54,65.5 K2#12.4
Board_18-GND:
  vias: v1(116.4,54.2) v1(118.5,64.3) v1(119.3,56.1) v1(122.7,64.4) v1(122.7,58.4) v1(122.9,66.9) v1(123.7,72.5) v1(124.5,51) v1(124.7,61.5) v1(128.8,64.4) v1(131.4,67.2) v1(133.5,58.4) v1(134.3,69) v1(135.5,64.2) v1(136.9,66.9) v1(140.8,72.4) v1(141,52.6) v1(145.7,64.5)
Board_18-POSx: length 25.1
  Top w0.4: K2#23.3 129.5,63 133,66.5 K1#10.7
Board_18-POSy: length 28.2
  Top w0.4: K2#23.2 130.76,60.46 133.3,63 K1#10.4
Board_18-SW: length 23.3
  Top w0.4: K2#23.1 120.2,53.23 128.23,53.23 K1#10.2 K1#10.2
Board_18-VCC: length 46.9
  Top w0.4: R1#19.2 v1(121,56)
  Bottom w0.4: 133,65.5 135.5,68 K1#10.6 ; 133,65.5 119,65.5 ; 133,65.5 K1#10.5 ; K2#23.4 115.54,65.5 119,65.5 ; 119,65.5 121,63.5 v1(121,56)
Board_19-GND:
  vias: v1(154.4,54.2) v1(156.5,64.3) v1(157.3,56.1) v1(160.7,64.4) v1(160.7,58.4) v1(160.9,66.9) v1(161.7,72.5) v1(162.5,51) v1(162.7,61.5) v1(166.8,64.4) v1(169.4,67.2) v1(171.5,58.4) v1(172.3,69) v1(173.5,64.2) v1(174.9,66.9) v1(178.8,72.4) v1(179,52.6) v1(183.7,64.5)
Board_19-POSx: length 25.1
  Top w0.4: K1#4.7 171,66.5 167.5,63 K2#19.3
Board_19-POSy: length 28.2
  Top w0.4: K2#19.2 168.76,60.46 171.3,63 K1#4.4
Board_19-SW: length 23.3
  Top w0.4: K2#19.1 158.2,53.23 166.23,53.23 K1#4.2 K1#4.2
Board_19-VCC: length 46.9
  Top w0.4: R1#15.2 v1(159,56)
  Bottom w0.4: v1(159,56) 159,63.5 157,65.5 ; 171,65.5 173.5,68 K1#4.6 ; 171,65.5 157,65.5 ; 171,65.5 K1#4.5 ; 157,65.5 153.54,65.5 K2#19.4
Board_20-GND:
  vias: v1(2.4,16.2) v1(4.5,26.3) v1(5.3,18.1) v1(8.7,26.4) v1(8.7,20.4) v1(8.9,28.9) v1(9.7,34.5) v1(10.5,13) v1(10.7,23.5) v1(14.8,26.4) v1(17.4,29.2) v1(19.5,20.4) v1(20.3,31) v1(21.5,26.2) v1(22.9,28.9) v1(26.8,34.4) v1(27,14.6) v1(31.7,26.5)
Board_20-POSx: length 25.1
  Top w0.4: K1#24.7 19,28.5 15.5,25 K2#21.3
Board_20-POSy: length 28.2
  Top w0.4: K2#21.2 16.76,22.46 19.3,25 K1#24.4
Board_20-SW: length 23.3
  Top w0.4: K2#21.1 6.2,15.22 14.23,15.22 K1#24.2 K1#24.2
Board_20-VCC: length 46.9
  Top w0.4: R1#17.2 v1(7,18)
  Bottom w0.4: v1(7,18) 7,25.5 5,27.5 ; 19,27.5 K1#24.5 ; 19,27.5 21.5,30 K1#24.6 ; 19,27.5 5,27.5 ; K2#21.4 1.54,27.5 5,27.5
Board_21-GND:
  vias: v1(40.4,16.2) v1(42.5,26.3) v1(43.3,18.1) v1(46.7,26.4) v1(46.7,20.4) v1(46.9,28.9) v1(47.7,34.5) v1(48.5,13) v1(48.7,23.5) v1(52.8,26.4) v1(55.4,29.2) v1(57.5,20.4) v1(58.3,31) v1(59.5,26.2) v1(60.9,28.9) v1(64.8,34.4) v1(65,14.6) v1(69.7,26.5)
Board_21-POSx: length 25.1
  Top w0.4: K2#6.3 53.5,25 57,28.5 K1#17.7
